# Altium PCB smart.PcbDoc (part 4 of 5)
Units mm, origin at the board's own origin, x right, y up, seen from the top; angles counter-clockwise.
Board outline 300.1 x 225.04 mm, 2 copper layers (Top Layer, Bottom Layer); 355 components, 288 nets, 1364 pads, 1127 vias.
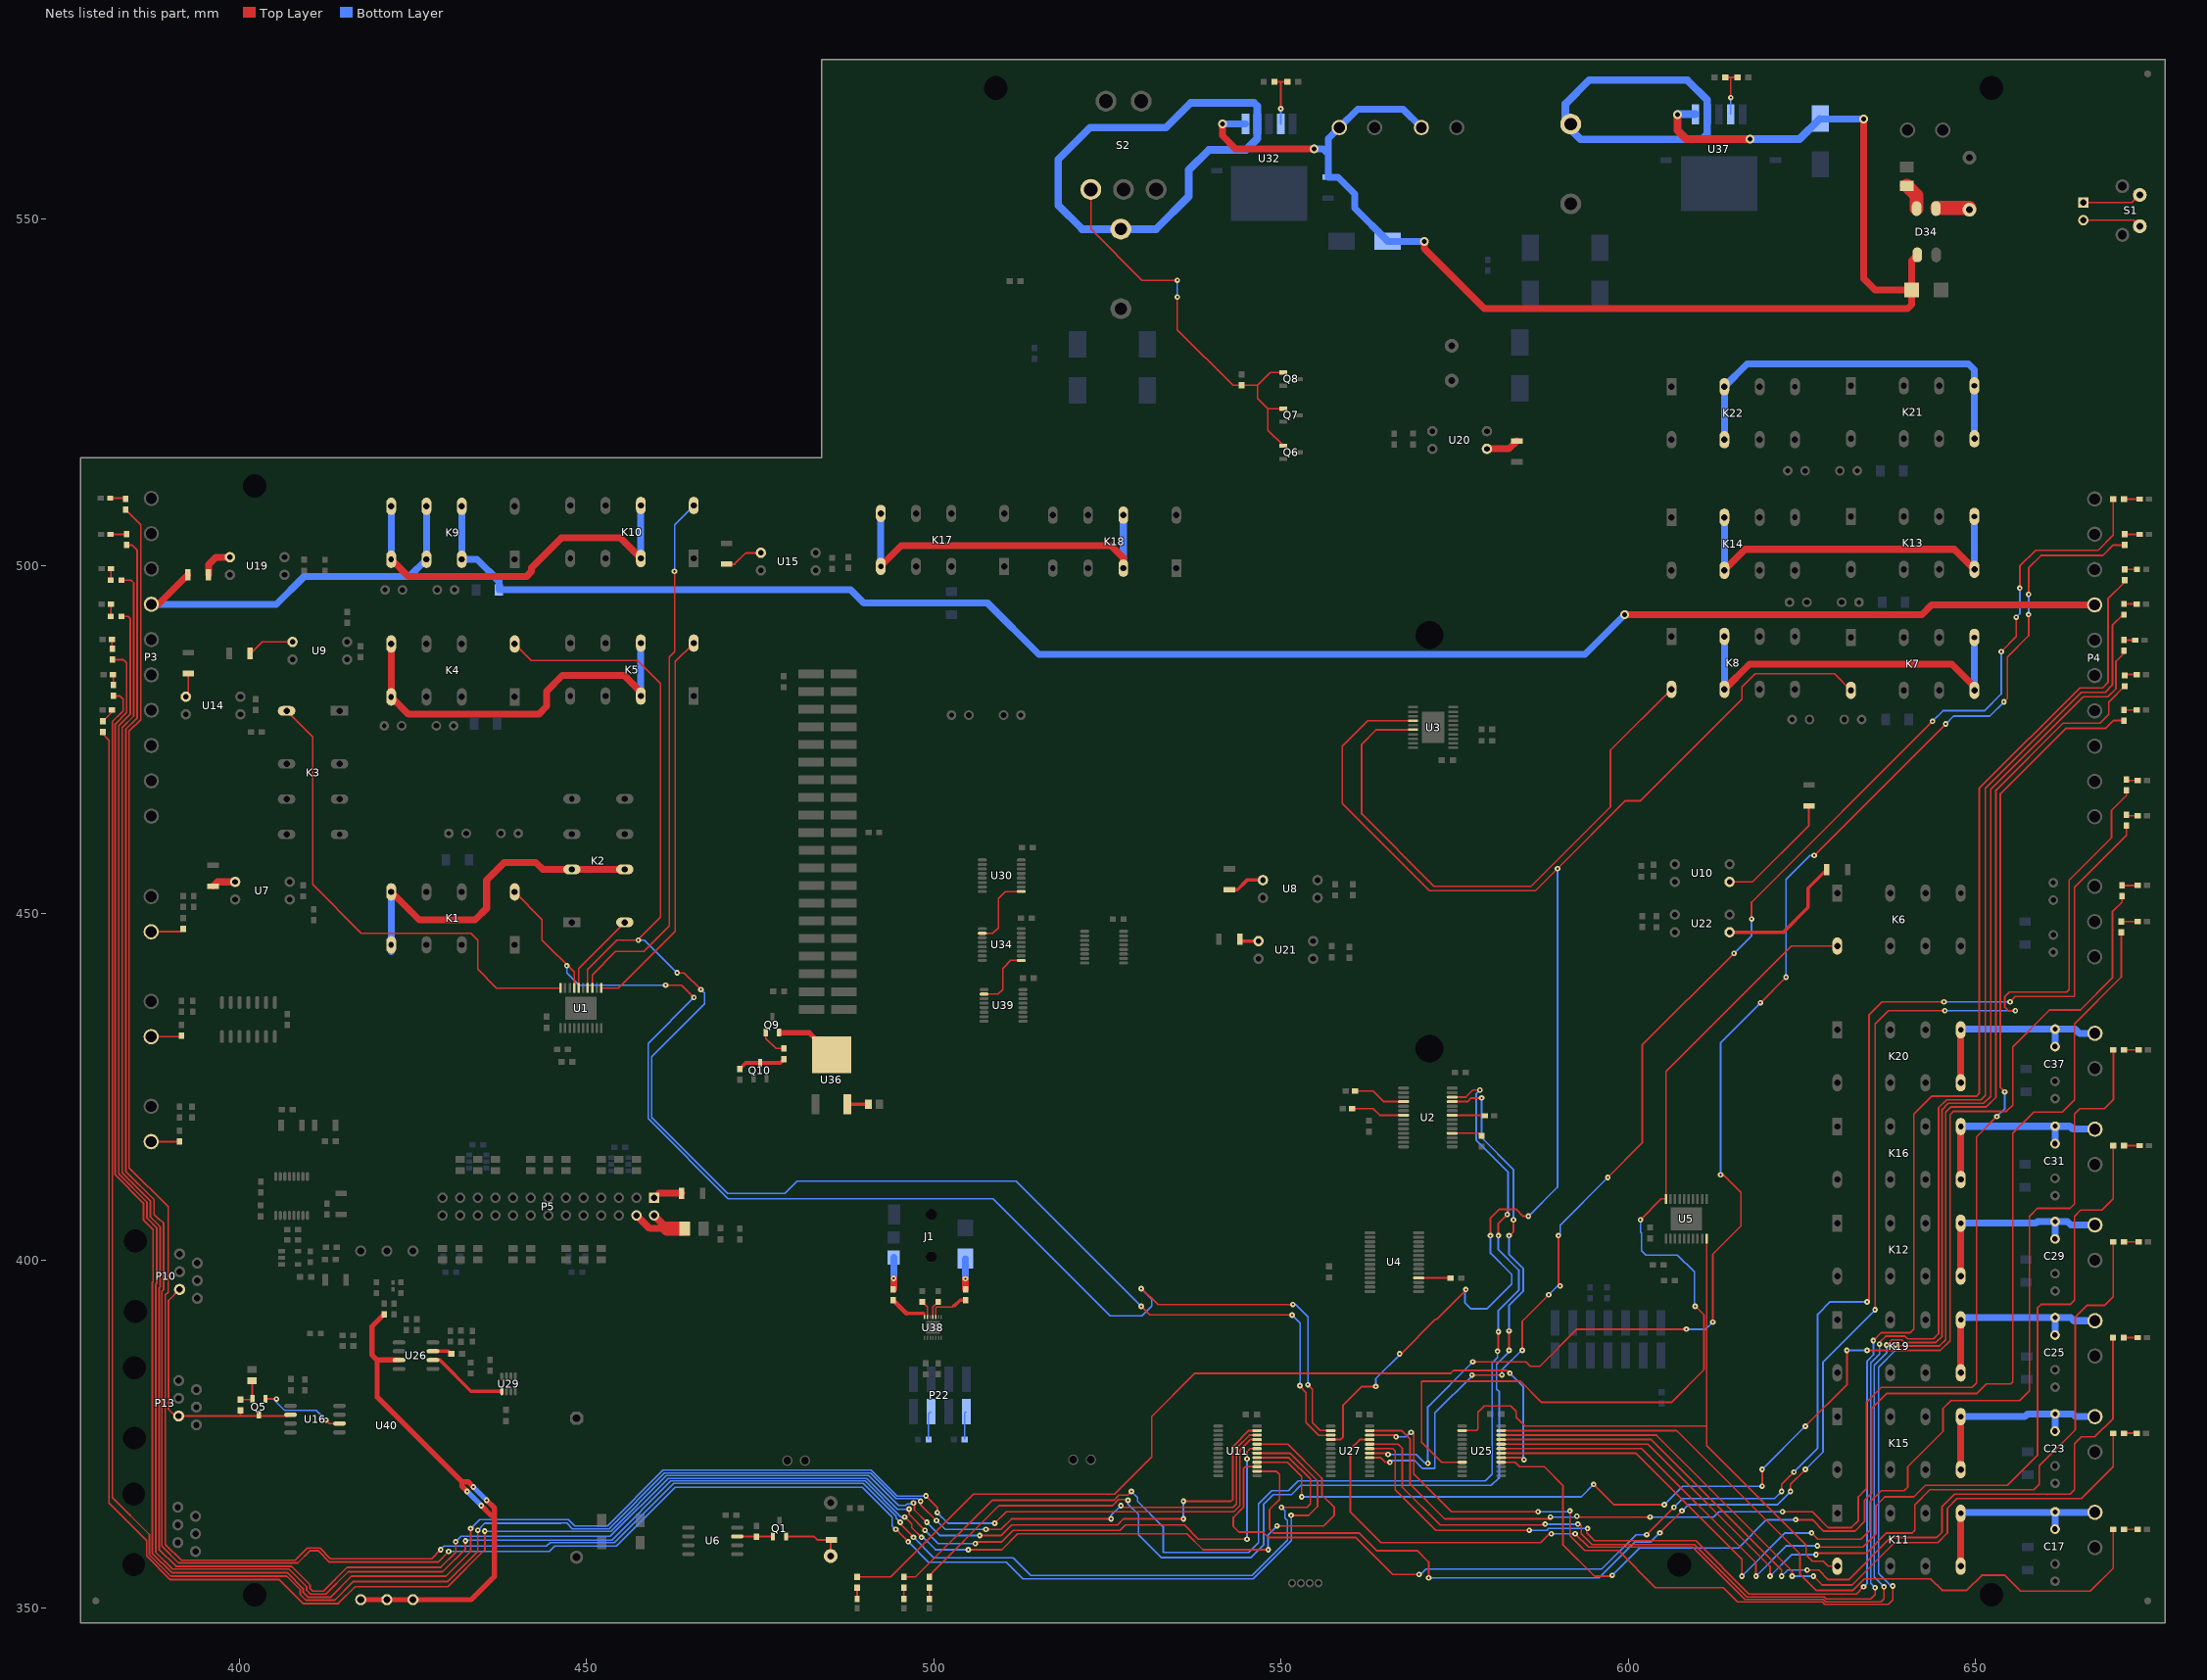
[diagram p4: the nets of this part, all layers, seen from the top]

## Via types
v1: diameter 0.8, hole 0.3, Top Layer to Bottom Layer, 1059 vias
v2: diameter 1.27, hole 0.711, Top Layer to Bottom Layer, 66 vias
v3: diameter 0.66, hole 0.33, Top Layer to Bottom Layer, tented top, 2 vias

## Nets (pads, with @x,y where several pads share a name; then routed paths per layer and width w, separated by ;. In a path a pad name is that pad's centre, name@x,y a point inside that pad or via, vN(x,y) a via of type N, cw(c..) or ccw(c..) an arc to the next point about the centre after c; other vN are vias at no path point) (continued)
NetC70_1: C70.1 C71.2 C83.1 C84.2 D34.1 D35.1 P23.1 P24.1 U32.1 U37.1 | length 208.6
  Top Layer w1: v2(541.555,563.653) 541.555,561.948 543.433,560.07 v2(554.736,560.07) ; v2(570.611,546.735) 570.611,545.719 579.247,537.083 640.207,537.083 640.774,537.65 D35.1@640.774,539.75 ; v2(633.857,564.388) 633.857,541.401 635.508,539.75 D35.1@640.774,539.75 ; D34.1@641.584,544.811 640.774,544.001 D35.1@640.774,539.75
  Top Layer w1.1: v2(607.06,565.023) 607.06,562.737 608.33,561.467 v2(617.474,561.467)
  Bottom Layer w1: v2(541.555,563.653) U32.1@544.859,563.653 ; v2@554.839,560.173 v2(554.736,560.07) 556.006,560.07 556.768,559.308 ; P24.1@570.19,563.138 567.543,565.785 561.026,565.785 P23.1@558.379,563.138 556.768,561.527 556.768,559.308 ; v2(570.611,546.735) 565.375,546.735 C70.1@565.35,546.76 560.578,551.532 560.578,553.593 558.189,555.982 C71.2@556.768,555.982 556.768,559.308 ; C83.1@627.536,564.388 v2(633.857,564.388)
  Bottom Layer w1.1: v2(607.06,565.023) 607.087,565.05 U37.1@609.629,565.05 ; v2(617.474,561.467) 624.615,561.467 C83.1@627.536,564.388
NetC80_1: C80.1 U38.3 | length 6.1
  Top Layer w0.2: U38.3@500.272,391.898 500.272,393.211 500.38,393.319 502.666,393.319 502.92,393.573
  Top Layer w0.5: 502.92,393.573 503.047,393.573 503.796,394.322 C80.1@504.571,394.322
NetC80_2: C80.2 J1.2 | length 4.4
  Top Layer w1: C80.2@504.543,395.9 v1(504.543,397.411)
  Bottom Layer w1: v1(504.543,397.411) J1.2@504.543,400.306
NetC82_1: C82.1 U38.7 | length 5.7
  Top Layer w0.2: 498.475,392.43 498.672,392.233 U38.7@498.672,391.898
  Top Layer w0.5: 496.049,392.43 498.475,392.43
  Top Layer w0.7: C82.1@494.157,394.322 496.049,392.43
NetC82_2: C82.2 J1.3 | length 4.5
  Top Layer w1: C82.2@494.218,395.933 v1(494.218,397.449)
  Bottom Layer w1: v1(494.218,397.449) J1.3@494.218,400.456
NetC89_1: C89.1 U38.4 | length 2.5
  Top Layer w0.2: U38.4@499.872,391.898 499.872,393.306 C89.1@500.634,394.068
NetC90_1: C90.1 U38.6 | length 2.5
  Top Layer w0.2: C90.1@498.348,394.068 499.072,393.344 U38.6@499.072,391.898
NetD1_1: D1.1 R7.2 | length 1.6
  Top Layer w0.254: D1.1@499.364,351.322 R7.2@499.364,352.92
NetD2_1: D2.1 R8.2 | length 1.6
  Top Layer w0.254: D2.1@495.681,351.322 R8.2@495.681,352.92
NetD3_3: D3.3 LS1.2 Q1.2 | length 8.9
  Top Layer w0.254: Q1.2@478.724,360.317 482.709,360.317 483.211,359.815 D3.3@485.267,359.815 ; LS1.2@485.14,357.49 D3.3@485.14,359.688
NetD4_1: D4.1 R52.1 | length 2.2
  Top Layer w0.254: R52.1@380.365,477.66 381.675,478.97 D4.1@381.675,479.298
NetD5_1: D5.1 R53.1 | length 1.7
  Top Layer w0.2: D5.1@381.802,484.378 381.876,484.304 R53.1@381.876,482.727
NetD6_1: D6.1 R54.1 | length 1.7
  Top Layer w0.2: R54.1@381.622,487.807 381.675,487.86 D6.1@381.675,489.458
NetD7_1: D7.1 R55.1 | length 1.8
  Top Layer w0.2: R55.1@381.495,492.76 381.548,492.813 D7.1@381.548,494.538
NetD8_1: D8.1 R67.2 | length 1.5
  Top Layer w0.254: R67.2@671.843,469.138 D8.1@673.314,469.138
NetD9_1: D9.1 R68.2 | length 1.7
  Top Layer w0.254: R68.2@671.703,464.198 671.843,464.058 D9.1@673.314,464.058
NetD10_1: D10.1 R69.2 | length 2.4
  Top Layer w0.254: R69.2@670.954,454.025 D10.1@673.314,454.025
NetD11_1: D11.1 R70.2 | length 2.2
  Top Layer w0.254: D11.1@381.421,509.778 R70.2@383.654,509.778
NetD12_1: D12.1 R71.2 | length 2.2
  Top Layer w0.254: D12.1@381.461,504.571 R71.2@383.694,504.571
NetD13_1: D13.1 R72.2 | length 1.7
  Top Layer w0.2: R72.2@381.495,497.967 381.548,498.02 D13.1@381.548,499.618
NetD14_1: D14.1 R84.1 | length 2
  Top Layer w0.254: R84.1@671.335,361.315 D14.1@673.314,361.315
NetD15_1: D15.1 R85.1 | length 1.9
  Top Layer w0.254: R85.1@671.335,375.158 D15.1@673.187,375.158
NetD16_1: D16.1 R86.1 | length 2
  Top Layer w0.254: R86.1@671.308,388.92 D16.1@673.287,388.92
NetD17_1: D17.1 R87.1 | length 2.1
  Top Layer w0.254: R87.1@671.335,402.717 D17.1@673.441,402.717
NetD18_1: D18.1 R88.1 | length 1.9
  Top Layer w0.254: R88.1@671.335,479.298 D18.1@673.187,479.298
NetD19_1: D19.1 R89.1 | length 1.9
  Top Layer w0.254: R89.1@671.335,484.378 D19.1@673.187,484.378
NetD20_1: D20.1 R90.1 | length 1.6
  Top Layer w0.254: R90.1@671.335,489.331 D20.1@672.933,489.331
NetD21_1: D21.1 R91.1 | length 1.9
  Top Layer w0.254: R91.1@671.335,494.538 D21.1@673.187,494.538
NetD22_1: D22.1 R96.2 | length 2.4
  Top Layer w0.254: R96.2@670.954,448.818 D22.1@673.314,448.818
NetD23_1: D23.1 R97.2 | length 1.6
  Top Layer w0.254: D23.1@488.95,351.322 R97.2@488.95,352.92
NetD24_1: D24.1 R100.2 | length 2.2
  Top Layer w0.254: R100.2@671.335,509.651 D24.1@673.568,509.651
NetD25_1: D25.1 R101.2 | length 2.2
  Top Layer w0.254: R101.2@671.335,504.571 D25.1@673.568,504.571
NetD26_1: D26.1 R98.2 | length 2.1
  Top Layer w0.254: R98.2@671.362,430.357 D26.1@673.468,430.357
NetD27_1: D27.1 R99.2 | length 2.2
  Top Layer w0.254: R99.2@671.335,416.56 D27.1@673.568,416.56
NetD28_1: D28.1 R102.2 | length 1.8
  Top Layer w0.254: R102.2@671.394,499.537 D28.1@673.2,499.537
NetD33_1: D33.1 L1.1 U32.2 | length 81.2
  Bottom Layer w1.1: 517.906,551.942 521.335,548.513 L1.1@526.923,548.513 532.003,548.513 536.702,553.212 536.702,557.022 539.599,559.919 D33.1@540.766,559.919 544.933,559.919 546.559,561.545 U32.2@546.559,563.653 546.559,566.215 546.1,566.674 536.956,566.674 533.4,563.118 522.478,563.118 517.906,558.546 517.906,551.942
NetD34_2: D34.2 F1.2 | length 3.9
  Top Layer w2: F1.2@640.08,554.758 641.494,553.344 D34.2@641.494,551.461
NetD34_4: D34.4 RT1.2 | length 4.7
  Top Layer w2: D34.4@644.425,551.554 RT1.2@649.097,551.554
NetD36_1: D36.1 L2.1 U37.2 | length 52.5
  Bottom Layer w1.1: L2.1@590.931,563.626 590.931,566.547 594.36,569.976 608.457,569.976 611.329,567.104 U37.2@611.329,565.05 611.329,562.18 610.592,561.443 D36.1@605.409,561.443 593.114,561.443 L2.1@590.931,563.626
NetD37_1: D37.1 U2.4 | length 7.6
  Top Layer w0.254: D37.1@560.618,424.434 563.245,424.434 564.78,422.899 U2.4@567.619,422.899
NetD38_1: D38.1 U2.7 | length 7.8
  Top Layer w0.254: D38.1@560.237,421.894 563.245,421.894 564.19,420.949 U2.7@567.619,420.949
NetD39_1: D39.1 U2.22 | length 4.7
  Top Layer w0.254: U2.22@574.619,420.949 579.263,420.949 D39.1@579.334,420.878
NetF2_1: F2.1 P5.2 P5.4 | length 10.1
  Top Layer w1: P5.4@457.2,406.527 459.105,404.622 461.645,404.622 P5.2@459.74,406.527
  Top Layer w2: 461.645,404.622 F2.1@463.828,404.622
NetK1_8: K1.8 K1.9 K2.4 K2.13 | length 50.1
  Top Layer w1: K1.9@421.88,453.097 425.905,449.072 433.959,449.072 435.61,450.723 435.61,454.787 438.15,457.327 442.722,457.327 443.719,456.33 K2.4@447.89,456.33 K2.13@455.51,456.33
  Bottom Layer w1: K1.8@421.88,444.514 K1.8@421.88,445.477 K1.9@421.88,453.097
NetK4_8: K4.8 K4.9 K5.4 K5.13 | length 57.3
  Top Layer w1: K4.9@421.88,488.784 K4.8@421.88,481.164 424.381,478.663 443.103,478.663 444.246,479.806 444.246,481.965 446.532,484.251 455.422,484.251 457.816,481.857 K5.4@457.816,481.291
  Bottom Layer w1: K5.4@457.816,481.291 K5.13@457.816,488.911
NetK7_8: K7.8 K7.9 K8.4 K8.13 | length 54.6
  Top Layer w1: K8.13@613.81,482.258 617.454,485.902 646.557,485.902 649.805,482.654 K7.9@649.805,482.119
  Bottom Layer w1: K8.13@613.81,482.258 K8.4@613.81,489.878 ; K7.9@649.805,482.119 K7.8@649.805,489.739
NetK9_8: K9.8 K9.9 K10.4 K10.13 | length 56.1
  Top Layer w1: K9.8@421.88,500.976 424.381,498.475 441.325,498.475 442.087,499.237 442.087,499.745 446.405,504.063 454.856,504.063 K10.4@457.816,501.103
  Bottom Layer w1: K9.8@421.88,500.976 K9.9@421.88,508.596 ; K10.4@457.816,501.103 K10.13@457.816,508.723
NetK13_8: K13.8 K13.9 K14.4 K14.13 | length 53.7
  Top Layer w1: K14.13@613.81,499.403 616.819,502.412 646.923,502.412 K13.9@649.805,499.53
  Bottom Layer w1: K14.13@613.81,499.403 K14.4@613.81,507.023 ; K13.9@649.805,499.53 K13.8@649.805,507.15
NetK17_8: K17.8 K17.9 K18.4 K18.13 | length 53.6
  Top Layer w1: K17.8@492.365,499.96 495.325,502.92 525.526,502.92 527.285,501.161 K18.4@527.285,499.706
  Bottom Layer w1: K17.8@492.365,499.96 K17.9@492.365,507.58 ; K18.4@527.285,499.706 K18.13@527.285,507.326
NetK21_8: K21.8 K21.9 K22.4 K22.13 | length 55.2
  Bottom Layer w1: K22.13@613.81,518.199 K22.4@613.81,525.819 617.073,529.082 648.97,529.082 649.805,528.247 K21.8@649.805,525.946 K21.9@649.805,518.326
NetP2_1: P2.1 S1.1 | length 8.6
  Top Layer w0.2: P2.1@665.48,552.323 672.501,552.323 S1.1@673.608,553.43
NetP2_2: P2.2 S1.2 | length 8.5
  Top Layer w0.2: P2.2@665.48,549.783 672.755,549.783 S1.2@673.608,548.93
NetP5_1: P5.1 R20.1 | length 4.2
  Top Layer w0.5: P5.1@459.74,409.067 P5.1@460.375,409.702
  Top Layer w1: P5.1@460.375,409.702 R20.1@463.701,409.702
NetP10_2: P10.2 P13.2 Q5.3 R73.2 U16.2 | length 36.8
  Top Layer w0.254: P10.2@391.414,395.864 389.821,394.272 389.821,378.587 390.769,377.64 P13.2@391.287,377.64 400.177,377.64 ; R73.2@400.177,378.447 400.177,377.64 ; U16.2@407.382,377.825 407.197,377.64 400.177,377.64
NetP17_1: P17.1 R93.2 | length 4.8
  Top Layer w0.254: P17.1@387.33,447.361 391.494,447.361 R93.2@391.922,447.789
NetP18_1: P18.1 R103.2 | length 4.4
  Top Layer w0.254: P18.1@387.33,432.248 391.494,432.248 R103.2@391.668,432.422
NetP20_1: P20.1 R106.2 | length 4.1
  Top Layer w0.254: P20.1@387.33,417.135 391.367,417.135 R106.2@391.414,417.182
NetP22_1: P22.1 R113.2 | length 4.1
  Bottom Layer w0.2: R113.2@504.457,374.269 504.457,378.063 P22.1@504.668,378.274
NetP22_5: P22.5 R116.1 | length 4.1
  Bottom Layer w0.2: R116.1@499.25,374.269 499.25,377.936 P22.5@499.588,378.274
NetQ1_1: Q1.1 R17.2 U6.7 | length 5.1
  Top Layer w0.254: U6.7@471.709,360.299 476.806,360.299 Q1.1@476.824,360.317
NetQ5_1: Q5.1 U16.6 | length 12.6
  Top Layer w0.254: Q5.1@403.794,380.093 v1(405.366,380.093) v1@405.511,380.238 ; v1(412.496,377.063) 413.004,376.555 U16.6@414.432,376.555
  Bottom Layer w0.254: v1@405.257,380.111 405.257,379.73 406.527,378.46 411.099,378.46 v1(412.496,377.063)
NetQ5_2: Q5.2 R60.2 R73.1 | length 4.3
  Top Layer w0.254: R73.1@400.177,379.997 401.798,379.997 Q5.2@401.894,380.093 R60.2@401.894,382.674
NetQ6_1: Q6.1 Q7.1 Q8.1 R18.2 S2.1 | length 60.1
  Top Layer w0.2: S2.1@522.604,554.228 522.604,548.514 529.971,541.147 v1(535.051,541.147) ; v1(535.051,538.734) 535.051,534.035 543.065,526.021 R18.2@544.322,526.021 546.595,526.021 ; Q6.1@550.309,517.332 548.071,519.57 548.071,522.666 ; Q7.1@550.309,522.666 548.071,522.666 ; Q8.1@550.309,527.873 548.447,527.873 546.595,526.021 ; 546.595,526.021 546.595,524.142 548.071,522.666
  Bottom Layer w0.2: v1(535.051,538.734) v1(535.051,541.147)
NetQ9_1: Q9.1 R128.1 | length 4
  Top Layer w0.2: Q9.1@475.808,432.834 475.808,431.988 477.253,430.543 R128.1@478.409,430.543
NetQ9_2: Q9.2 U36.4 | length 8.6
  Top Layer w0.75: 478.028,432.816 482.071,432.816 U36.4@485.267,429.62
NetQ10_3: Q10.3 R127.1 R128.2 | length 6.9
  Top Layer w0.5: R127.1@472.059,427.622 472.917,428.48 Q10.3@474.98,428.48 477.896,428.48 R128.2@478.409,428.993
NetR4_2: R4.2 U2.18 | length 4.4
  Top Layer w0.2: U2.18@574.619,418.349 578.487,418.349 R4.2@578.866,417.97
NetR6_2: R6.2 U26.3 U40.1 | length 76.7
  Top Layer w0.75: U40.1@417.909,351.201 U40.1@421.259,351.201 424.609,351.201 433.37,351.201 436.753,354.584 436.753,363.347 ; R6.2@420.878,392.29 419.1,390.512 419.1,386.461 419.862,385.699 ; U26.3@423,385.699 419.862,385.699 ; v1(432.816,366.776) 432.054,367.538 432.054,368.173 ; v1(433.705,367.411) 432.943,368.173 432.054,368.173 ; v1(434.848,364.744) 436.245,363.347 436.753,363.347 ; v1(435.61,365.506) 436.753,364.363 436.753,363.347 ; 419.862,385.699 419.862,380.365 432.054,368.173
  Bottom Layer w0.75: v1(432.816,366.776) v1(434.848,364.744) ; v1(433.705,367.411) v1(435.61,365.506)
NetR7_1: R7.1 U2.25 | length 164.1
  Top Layer w0.254: R7.1@499.364,354.47 499.364,354.711 509.397,364.744 525.716,364.744 526.605,365.633 527.812,365.633 v1(527.939,365.506) ; U2.25@574.619,422.899 576.823,422.899 577.342,423.418 v1(578.866,423.418) ; v1(582.803,387.096) v1(582.803,389.89) ; v1@583.057,403.733 583.438,404.114 v1(583.438,405.892)
  Bottom Layer w0.254: v1(527.939,365.506) 527.939,364.998 529.463,363.474 529.463,360.553 532.765,357.251 545.592,357.251 547.497,359.156 547.497,364.998 548.831,366.332 551.498,366.332 552.831,367.665 580.263,367.665 581.279,368.681 581.406,368.681 581.406,381.127 581.025,381.508 581.025,385.064 582.803,386.842 v1(582.803,387.096) ; v1(578.866,423.418) 578.866,417.703 583.438,413.131 v1(583.438,405.892) ; v1(582.803,389.89) 582.803,393.573 584.835,395.605 584.835,398.907 582.803,400.939 v1(582.803,403.606)
NetR8_1: R8.1 U2.26 | length 168.9
  Top Layer w0.254: R8.1@495.681,354.47 497.345,354.47 508.381,365.506 525.907,365.506 526.669,366.268 527.939,366.268 v1(528.447,366.776) ; U2.26@574.619,423.549 576.584,423.549 577.596,424.561 v1(578.612,424.561) ; v1@581.279,387.223 v1(581.279,389.763) ; v1(581.279,403.606) 581.279,405.384 v1(582.549,406.654)
  Bottom Layer w0.254: v1(528.447,366.776) 529.336,365.887 529.336,365.379 533.019,361.696 533.019,358.013 545.338,358.013 546.735,359.41 546.735,364.998 548.64,366.903 551.053,366.903 552.45,368.3 579.374,368.3 580.39,369.316 580.39,385.318 581.152,386.08 v1(581.152,386.969) ; v1(578.612,424.561) 578.104,424.053 578.104,417.322 582.676,412.75 v1@582.676,406.4 ; v1(581.279,389.763) 581.279,392.811 584.2,395.732 584.2,398.653 581.279,401.574 v1(581.279,403.606)
NetR12_2: R12.2 U4.18 | length 4.6
  Top Layer w0.254: U4.18@569.793,397.521 569.804,397.51 R12.2@574.408,397.51
NetR33_2: R33.2 U7.1 | length 3.4
  Top Layer w1: R33.2@396.24,453.922 396.851,454.533 U7.1@399.415,454.533
NetR34_2: R34.2 U8.1 | length 5.4
  Top Layer w0.5: R34.2@542.544,453.414 543.711,453.414 545.084,454.787 U8.1@547.37,454.787
NetR48_2: R48.2 U9.1 | length 6.9
  Top Layer w0.254: R48.2@401.55,487.299 403.328,489.077 U9.1@407.67,489.077
NetR49_2: R49.2 U10.1 | length 17.6
  Top Layer w0.254: U10.1@614.553,454.533 617.855,454.533 625.983,462.661 R49.2@625.983,465.479
NetR52_2: R52.2 U11.23 | length 310
  Top Layer w0.254: R52.2@380.365,476.11 380.365,475.823 381.254,474.934 381.254,365.125 386.669,359.71 386.669,357.488 390.081,354.076 405.765,354.076 409.194,350.647 414.274,350.647 416.687,353.06 430.022,353.06 435.356,358.394 v1(435.356,361.061) ; v1(497.078,365.125) 497.205,364.998 497.205,364.109 v1(498.983,362.331) ; v1(506.603,360.426) 509.651,360.426 511.175,361.95 526.415,361.95 527.304,362.839 v1(535.94,362.839) ; v1(535.94,365.379) 542.798,365.379 543.052,365.633 543.052,373.253 545.342,375.543 U11.23@546.536,375.543
  Bottom Layer w0.2: v1(435.356,361.061) 453.517,361.061 461.518,369.062 490.601,369.062 494.919,364.744 495.935,364.744 496.189,364.998 497.205,364.998 v1(497.078,365.125)
  Bottom Layer w0.254: v1(498.983,362.331) 500.888,360.426 v1(506.603,360.426) ; v1(535.94,362.839) v1(535.94,365.379)
NetR53_2: R53.2 U11.22 | length 314.7
  Top Layer w0.254: R53.2@381.889,481.317 382.791,481.317 383.286,480.822 383.286,479.171 381.739,477.624 381.739,365.91 387.073,360.576 387.073,357.655 390.144,354.584 406.845,354.584 408.79,352.639 408.79,351.94 409.598,351.132 413.766,351.132 416.456,353.822 430.022,353.822 434.34,358.14 v1(434.34,361.188) ; v1(498.094,365.379) 498.094,364.871 v1(500.38,362.585) ; v1(507.492,361.315) 509.651,361.315 511.175,362.839 v1(525.526,362.839) ; v1(526.923,364.744) 527.177,364.49 543.052,364.49 543.56,364.998 543.56,372.999 545.454,374.893 U11.22@546.536,374.893
  Bottom Layer w0.2: 446.278,362.204 447.167,362.204 447.96,361.411 453.232,361.411 461.233,369.412 490.916,369.412 494.553,365.775 497.698,365.775 v1(498.094,365.379)
  Bottom Layer w0.254: v1(434.34,361.188) 435.356,362.204 446.278,362.204 ; v1(500.38,362.585) 501.65,361.315 v1(507.492,361.315) ; v1(525.526,362.839) 525.526,363.347 v1(526.923,364.744)
NetR54_2: R54.2 U11.21 | length 318.9
  Top Layer w0.254: R54.2@381.762,486.524 383.299,486.524 383.794,486.029 383.794,478.917 382.143,477.266 382.143,412.369 386.207,408.305 386.207,405.892 387.604,404.495 387.604,397.002 387.477,396.875 387.477,357.886 390.271,355.092 406.908,355.092 409.194,352.806 409.194,352.298 409.956,351.536 413.131,351.536 416.179,354.584 429.768,354.584 433.324,358.14 v1(433.324,361.442) ; v1(498.856,366.141) 500.507,364.49 v1(500.507,363.728) ; v1(508.762,362.204) 510.413,363.855 543.179,363.855 544.068,364.744 544.068,372.745 545.566,374.243 U11.21@546.536,374.243
  Bottom Layer w0.2: v1(433.324,361.442) 434.594,362.712 447.421,362.712 448.31,361.823 453.009,361.823 461.01,369.824 490.999,369.824 494.682,366.141 v1(498.856,366.141)
  Bottom Layer w0.254: v1(500.507,363.728) 502.031,362.204 v1(508.762,362.204)
NetR55_2: R55.2 U11.20 | length 345.9
  Top Layer w0.254: R55.2@383.045,492.76 384.025,492.76 384.302,492.483 384.302,478.663 382.651,477.012 382.651,412.496 386.715,408.432 386.715,406.146 388.112,404.749 388.112,396.748 387.985,396.621 387.985,358.013 390.398,355.6 407.162,355.6 409.702,353.06 409.702,352.552 410.233,352.021 412.496,352.021 415.694,355.219 429.26,355.219 432.562,358.521 v1(432.562,359.664) ; v1(495.808,363.093) 496.824,362.077 496.824,361.569 v1(498.221,360.172) ; v1(504.952,358.394) 509.778,358.394 512.064,360.68 536.448,360.68 538.734,358.394 v1(548.132,358.394) ; U11.20@546.536,373.593 550.967,373.593 555.879,368.681 555.879,366.268 557.657,364.49 557.657,363.347 556.133,361.823 v1(549.402,361.823)
  Bottom Layer w0.2: v1(432.562,359.664) 432.689,359.791 453.644,359.791 462.153,368.3 490.093,368.3 495.3,363.093
  Bottom Layer w0.254: 495.3,363.093 v1(495.808,363.093) ; v1@498.221,360.426 500.253,358.394 v1(504.952,358.394) ; v1(548.132,358.394) 548.132,360.553 v1(549.402,361.823)
NetR63_2: R63.2 U14.1 | length 3.5
  Top Layer w0.254: U14.1@392.303,481.203 392.684,481.584 R63.2@392.684,484.529
NetR64_2: R64.2 U15.1 | length 5.6
  Top Layer w0.254: R64.2@470.154,500.277 471.321,500.277 472.948,501.904 U15.1@475.107,501.904
NetR67_1: R67.1 U11.14 | length 234.7
  Top Layer w0.254: U11.14@546.536,369.693 549.279,369.693 549.783,369.189 549.783,365.633 548.322,364.172 548.322,361.378 548.894,360.807 561.213,360.807 563.753,358.267 569.595,358.267 571.246,356.616 v1(571.246,354.33) ; v1(604.52,360.807) v1(607.695,363.982) ; v1(623.316,366.776) 623.316,367.792 v1(625.475,369.951) ; v1(635.508,392.938) 635.508,434.086 637.413,435.991 v1(645.541,435.991) ; v1(655.701,435.991) 654.685,435.991 654.177,436.499 654.177,438.023 654.812,438.658 663.067,438.658 663.448,439.039 663.448,454.787 669.544,460.883 669.544,464.82 671.703,466.979 R67.1@671.703,467.728
  Bottom Layer w0.254: v1(571.246,354.33) 595.757,354.33 600.964,359.537 603.25,359.537 v1(604.52,360.807) ; v1@607.949,363.855 607.949,364.236 608.584,364.871 621.411,364.871 v1(623.316,366.776) ; v1(625.475,369.951) 628.015,372.491 628.015,385.445 v1(635.508,392.938) ; v1(645.541,435.991) v1(655.701,435.991)
NetR68_1: R68.1 U11.15 | length 233.1
  Top Layer w0.254: U11.15@546.536,370.343 544.841,370.343 544.576,370.078 544.576,364.49 543.115,363.029 543.115,361.76 543.941,360.934 547.37,360.934 548.132,360.172 560.705,360.172 566.039,354.838 v1(569.849,354.838) ; v1(602.615,360.553) v1(606.552,364.49) ; v1(622.046,366.776) 622.046,367.792 v1(623.824,369.57) ; v1(634.365,394.081) 634.619,394.335 634.619,435.356 636.524,437.261 v1(645.414,437.261) ; v1(654.939,437.261) 655.701,438.023 664.21,438.023 664.21,453.771 669.925,459.486 671.703,461.264 R68.1@671.703,462.648
  Bottom Layer w0.254: v1(569.849,354.838) 570.103,354.838 570.865,355.6 596.138,355.6 601.091,360.553 v1(602.615,360.553) ; v1(606.552,364.49) 607.822,365.76 621.03,365.76 v1(622.046,366.776) ; v1(623.824,369.57) 627.253,372.999 627.253,392.303 629.031,394.081 v1(634.365,394.081) ; v1(645.414,437.261) v1(654.939,437.261)
NetR69_1: R69.1 U11.16 | length 200.9
  Top Layer w0.254: U11.16@546.536,370.993 550.9,370.993 552.958,368.935 v1(552.958,366.014) ; v1(594.995,367.792) 597.916,364.871 v1(605.155,364.871) ; v1(619.252,367.538) v1(619.252,369.951) ; v1(625.475,376.174) 631.444,382.143 v1(631.444,387.096) ; v1(634.365,387.096) 644.906,387.096 646.303,388.493 646.303,421.005 646.811,421.513 654.431,421.513 655.32,422.402 655.32,430.784 660.654,436.118 665.099,436.118 669.671,440.69 669.671,450.215 671.068,451.612 R69.1@671.068,452.488
  Bottom Layer w0.254: v1(552.958,366.014) 593.217,366.014 v1(594.995,367.792) ; v1(605.155,364.871) 607.822,367.538 v1(619.252,367.538) ; v1(619.252,369.951) v1(625.475,376.174) ; v1(631.444,387.096) v1(634.365,387.096)
NetR70_1: R70.1 U11.17 | length 351.2
  Top Layer w0.2: R70.1@383.667,508.114 385.826,505.955 385.826,477.901 384.175,476.25 384.175,413.385 389.763,407.797 389.763,395.478 389.382,395.097 389.382,359.156 391.668,356.87 408.051,356.87 409.829,358.648 411.607,358.648 413.131,357.124 427.736,357.124 v1(429.006,358.394) ; v1(495.173,362.331) 495.173,362.077 v1(497.078,360.172)
  Top Layer w0.254: U11.17@546.536,371.643 551.139,371.643 554.228,368.554 554.228,364.998 553.72,364.49 v1(550.037,364.49)
  Bottom Layer w0.2: v1(429.006,358.394) 429.514,358.902 430.881,358.902 430.896,358.887 444.231,358.887 444.754,359.41 454.025,359.41 462.534,367.919 489.839,367.919 494.538,363.22 494.538,362.966 v1(495.173,362.331) ; v1(497.078,360.172) 499.999,357.251 511.429,357.251 513.969,354.711 545.846,354.711 550.926,359.791 550.926,362.585 550.545,362.966 550.545,363.982 v1(550.037,364.49)
NetR71_1: R71.1 U11.18 | length 348.5
  Top Layer w0.2: v1@494.538,361.442 v1(494.538,361.315) v1(496.316,359.537)
  Top Layer w0.254: R71.1@383.794,503.034 384.569,503.034 385.318,502.285 385.318,478.155 383.667,476.504 383.667,412.877 387.731,408.813 387.731,406.654 388.493,405.892 388.62,405.892 389.128,405.384 389.128,395.859 388.874,395.605 388.874,358.902 391.287,356.489 408.432,356.489 410.21,358.267 411.353,358.267 413.004,356.616 428.625,356.616 v1(430.149,358.14) ; U11.18@546.536,372.293 551.251,372.293 555.244,368.3 555.244,364.617 553.974,363.347 v1(551.434,363.347)
  Bottom Layer w0.2: v1(430.149,358.14) 444.627,358.14 445.389,358.902 454.279,358.902 462.788,367.411 489.712,367.411 494.03,363.093 494.03,361.823 v1(494.538,361.315) ; v1(496.316,359.537) 499.237,356.616 510.413,356.616 512.826,354.203 545.973,354.203 551.434,359.664 v1(551.434,363.347)
NetR72_1: R72.1 U11.19 | length 331.3
  Top Layer w0.254: R72.1@383.045,497.967 384.429,497.967 384.81,497.586 384.81,478.409 383.159,476.758 383.159,412.623 387.223,408.559 387.223,406.273 388.62,404.876 388.62,396.24 388.47,396.09 388.47,358.417 390.883,356.004 407.52,356.004 410.21,353.314 410.21,352.806 410.591,352.425 412.115,352.425 415.544,355.854 429.006,355.854 431.165,358.013 v1(431.165,359.537) ; v1(496.443,364.236) 496.443,363.474 v1(498.729,361.188) ; v1@506.222,359.537 509.778,359.537 511.429,361.188 526.796,361.188 527.558,361.95 536.067,361.95 538.099,359.918 v1(545.084,359.918) ; v1(545.084,371.475) 545.084,372.491 545.536,372.943 U11.19@546.536,372.943
  Bottom Layer w0.2: v1(431.165,359.537) 431.927,360.299 432.278,360.299 432.293,360.314 432.831,360.314 432.846,360.299 453.39,360.299 461.772,368.681 490.347,368.681 494.792,364.236 v1(496.443,364.236)
  Bottom Layer w0.254: v1(498.729,361.188) 500.634,359.283 v1(505.968,359.283) ; v1(545.084,359.918) v1(545.084,371.475)
NetR78_2: R78.2 U19.1 | length 5
  Top Layer w1: R78.2@395.581,498.729 395.581,500.229 396.621,501.269 U19.1@398.653,501.269
NetR79_2: R79.2 U20.1 | length 4.8
  Top Layer w1: U20.1@579.628,516.89 582.827,516.89 R79.2@583.946,518.009
NetR82_2: R82.2 U21.1 | length 2.4
  Top Layer w0.5: R82.2@544.298,446.024 U21.1@546.735,446.024
NetR83_2: R83.2 U22.1 | length 19.4
  Top Layer w0.5: U22.1@614.553,447.294 622.3,447.294 625.856,450.85 625.856,453.62 R83.2@628.547,456.311
NetR84_2: R84.2 U25.23 | length 109.5
  Top Layer w0.254: U25.23@581.666,375.543 606.929,375.543 624.713,357.759 624.713,354.851 627.012,352.552 632.333,352.552 633.984,354.203 643.509,354.203 645.16,352.552 648.716,352.552 650.875,354.711 654.177,354.711 656.463,352.425 666.496,352.425 669.785,355.714 R84.2@669.785,361.315
NetR85_2: R85.2 U25.22 | length 111.5
  Top Layer w0.254: U25.22@581.666,374.893 604.023,374.893 623.57,355.346 v1(623.57,354.584) ; v1(626.618,354.584) 627.888,353.314 632.206,353.314 638.302,359.41 644.525,359.41 645.922,360.807 645.922,364.363 647.319,365.76 665.226,365.76 669.785,370.319 R85.2@669.785,375.158
  Bottom Layer w0.254: v1(623.57,354.584) v1(626.618,354.584)
NetR86_2: R86.2 U25.21 | length 125
  Top Layer w0.254: U25.21@581.666,374.243 603.276,374.243 622.046,355.473 v1(622.046,354.584) ; v1(625.729,355.473) 627.38,355.473 628.777,354.076 631.698,354.076 637.794,360.172 644.398,360.172 645.16,360.934 645.16,364.617 646.938,366.395 663.575,366.395 664.21,367.03 664.21,373.634 665.226,374.65 667.131,374.65 669.758,377.277 R86.2@669.758,388.92
  Bottom Layer w0.254: v1(622.046,354.584) 622.935,355.473 v1(625.729,355.473)
NetR87_2: R87.2 U25.20 | length 134.7
  Top Layer w0.254: U25.20@581.666,373.593 602.783,373.593 620.395,355.981 v1(620.395,354.584) ; v1(626.999,357.695) 626.999,357.886 634.238,357.886 637.159,360.807 640.842,360.807 641.223,361.188 641.223,364.871 643.382,367.03 658.368,367.03 659.13,367.792 659.13,370.459 664.337,375.666 664.337,391.922 665.988,393.573 668.528,393.573 669.785,394.83 R87.2@669.785,402.717
  Bottom Layer w0.254: v1(620.395,354.584) 623.506,357.695 v1(626.999,357.695)
NetR88_2: R88.2 U27.23 | length 224.7
  Top Layer w0.254: U27.23@562.743,375.543 567.305,375.543 568.579,374.269 568.579,367.792 573.532,362.839 588.518,362.839 v1(588.772,363.093) ; v1@592.582,363.093 v1(603.123,363.093) ; v1(622.173,363.855) 626.491,363.855 628.777,361.569 632.079,361.569 633.095,362.585 633.095,366.014 634.238,367.157 634.238,379.603 636.397,381.762 649.478,381.762 650.113,382.397 650.113,417.83 v1(653.034,420.751) ; v1(654.177,424.307) 653.542,424.942 653.542,467.233 662.94,476.631 668.655,476.631 669.785,477.761 R88.2@671.322,477.761
  Bottom Layer w0.254: v1(588.772,363.093) 592.455,363.093 v1(592.582,363.22) ; v1(603.123,363.093) 612.267,363.093 613.029,363.855 v1(622.173,363.855) ; v1(653.034,420.751) 654.177,421.894 v1(654.177,424.307)
NetR89_2: R89.2 U27.22 | length 248.9
  Top Layer w0.2: v1(591.566,363.982) 591.566,360.426 593.725,358.267 598.551,358.267 603.885,352.933 613.664,352.933 615.696,350.901 627.888,350.901 628.269,350.52 637.413,350.52 638.048,351.155
  Top Layer w0.254: U27.22@562.743,374.893 566.304,374.893 v1(566.547,374.65) ; v1(568.706,375.285) 568.833,375.285 569.087,375.031 569.087,369.316 574.548,363.855 v1(586.994,363.855) ; 638.048,351.155 v1(638.048,353.187) ; v1(638.429,387.858) 638.556,387.731 644.779,387.731 645.668,388.62 645.668,421.386 646.43,422.148 651.51,422.148 652.907,423.545 652.907,467.741 662.559,477.393 667.893,477.393 669.163,478.663 669.163,480.428 R89.2@671.449,482.714
  Bottom Layer w0.254: v1(566.547,374.65) 567.944,374.65 568.579,375.285 v1(568.706,375.285) ; v1(586.994,363.855) v1@591.439,363.855 ; v1@638.048,352.933 636.016,354.965 636.016,384.683 638.429,387.096 v1(638.429,387.858)
NetR90_2: R90.2 U27.21 | length 256.7
  Top Layer w0.2: v1(592.328,360.68) 594.233,358.775 609.219,358.775 616.743,351.251 628.033,351.251 628.383,350.901 636.397,350.901 636.778,351.282 v1(636.778,353.06)
  Top Layer w0.254: U27.21@562.743,374.243 561.314,374.243 559.943,372.872 559.943,363.855 564.388,359.41 587.375,359.41 v1@588.645,360.68 ; v1(637.159,387.858) 637.921,388.62 639.318,388.62 639.699,388.239 644.271,388.239 645.16,389.128 645.16,421.767 646.049,422.656 651.129,422.656 652.145,423.672 652.145,467.868 665.48,481.203 669.036,481.203 670.179,482.346 670.179,486.283 671.322,487.426 R90.2@671.322,487.794
  Bottom Layer w0.2: v1(588.899,360.68) v1(592.328,360.68)
  Bottom Layer w0.254: v1@636.651,353.187 635.381,354.457 635.381,384.937 637.159,386.715 v1(637.159,387.858)
NetR91_2: R91.2 U27.20 | length 252.2
  Top Layer w0.2: v1@592.836,362.204 593.217,361.823 593.217,360.68 594.741,359.156 609.473,359.156 617.028,351.601 628.178,351.601 628.497,351.282 634.873,351.282 635.508,351.917 v1(635.508,352.933)
  Top Layer w0.254: U27.20@562.743,373.593 566.842,373.593 567.436,372.999 567.436,367.411 572.897,361.95 587.883,361.95 v1(588.01,362.077) ; v1(636.143,387.985) 636.143,388.239 637.032,389.128 639.826,389.128 640.207,388.747 643.89,388.747 644.652,389.509 644.652,422.021 645.795,423.164 650.748,423.164 651.383,423.799 651.383,467.995 665.226,481.838 668.655,481.838 669.671,482.854 669.671,491.49 671.182,493.001 R91.2@671.322,493.001
  Bottom Layer w0.254: v1(588.01,362.077) v1(592.709,362.077) ; v1(635.508,352.933) 634.873,353.568 634.873,385.318 636.143,386.588 v1(636.143,387.985)
NetR96_1: R96.1 U25.16 | length 180.9
  Top Layer w0.254: U25.16@581.666,370.993 583.666,370.993 584.327,370.332 587.883,370.332 590.55,367.665 590.55,359.156 595.122,354.584 597.535,354.584 v1(597.662,354.711) ; v1(624.078,362.712) 626.491,362.712 628.142,361.061 632.587,361.061 633.984,362.458 633.984,365.506 635,366.522 635,378.714 637.159,380.873 650.113,380.873 651.51,382.27 655.066,382.27 655.32,382.524 655.32,418.338 658.368,421.386 662.432,421.386 664.21,423.164 664.21,434.086 670.941,440.817 R96.1@670.941,447.281
  Bottom Layer w0.254: v1(597.662,354.711) 601.599,358.648 615.823,358.648 619.887,362.712 v1(624.078,362.712)
NetR97_1: R97.1 U25.17 | length 126.6
  Top Layer w0.254: R97.1@488.95,354.47 493.789,354.47 505.714,366.395 526.034,366.395 531.368,371.729 531.368,377.571 537.591,383.794 574.421,383.794 574.844,384.217 582.507,384.217 v1(582.93,383.794) ; U25.17@581.666,371.643 584.667,371.643 v1(584.962,371.348)
  Bottom Layer w0.254: v1(582.93,383.794) 584.835,381.889 584.835,371.475 v1(584.962,371.348)
NetR98_1: R98.1 U25.18 | length 161.6
  Top Layer w0.254: U25.18@581.666,372.293 596.209,372.293 601.035,372.293 616.331,356.997 v1(616.331,354.584) ; v1(626.364,360.807) 627.253,359.918 633.476,359.918 634.746,361.188 634.746,365.252 636.397,366.903 639.699,366.903 640.207,367.411 640.207,370.332 645.287,375.412 645.287,378.714 646.43,379.857 656.336,379.857 657.733,381.254 657.733,406.4 658.876,407.543 663.575,407.543 664.21,408.178 664.21,421.132 664.972,421.894 668.528,421.894 669.812,423.178 R98.1@669.812,430.357
  Bottom Layer w0.254: v1(616.331,354.584) 622.554,360.807 v1(626.364,360.807)
NetR99_1: R99.1 U25.19 | length 149
  Top Layer w0.254: U25.19@581.666,372.943 597.972,372.943 601.909,372.943 618.363,356.489 v1(618.363,354.584) ; v1(627.189,358.965) 627.38,358.775 633.73,358.775 635.635,360.68 635.635,364.744 636.905,366.014 641.096,366.014 642.747,367.665 654.558,367.665 658.876,371.983 658.876,393.192 659.384,393.7 663.575,393.7 664.21,394.335 664.21,406.4 665.099,407.289 668.147,407.289 669.785,408.927 R99.1@669.785,416.56
  Bottom Layer w0.254: v1(618.363,354.584) 622.745,358.965 v1(627.189,358.965)
NetR100_1: R100.1 U27.17 | length 202
  Top Layer w0.254: U27.17@562.743,371.643 564.347,371.643 565.023,370.967 v1(565.658,370.967) ; v1(577.469,383.54) v1@581.533,383.54 ; v1(584.708,387.096) 584.708,391.287 v1(588.518,395.097) ; v1(589.915,403.606) 589.915,396.621 v1(590.169,396.367) ; v1(597.027,411.988) 601.98,416.941 601.98,431.038 v1(615.188,444.246) ; v1(617.728,449.199) 617.728,451.612 v1(643.763,477.647) ; v1(653.669,487.68) 655.828,489.839 v1(655.828,492.633) ; v1(656.336,496.824) 656.336,499.999 658.622,502.285 667.639,502.285 669.785,504.431 R100.1@669.785,509.651 R100.1@669.658,509.524
  Bottom Layer w0.254: v1(565.658,370.967) 565.912,371.221 569.214,371.221 570.357,370.078 572.135,370.078 572.135,378.079 v1@577.533,383.476 ; v1(581.787,383.54) 581.787,384.302 584.581,387.096 v1(584.708,387.096) ; v1(588.518,395.097) 589.788,396.367 v1(590.169,396.367) ; v1(589.915,403.606) 590.169,403.86 590.169,405.13 v1(597.027,411.988) ; v1(615.188,444.246) 617.728,446.786 v1(617.728,449.199) ; v1(643.763,477.647) 645.287,479.171 651.256,479.171 653.669,481.584 v1(653.669,487.68) ; v1(655.828,492.633) 656.336,493.141 v1(656.336,496.824)
NetR101_1: R101.1 U27.18 | length 211.8
  Top Layer w0.254: U27.18@562.743,372.293 565.221,372.293 v1(565.404,372.11) ; v1(577.596,385.445) 585.216,385.445 585.851,384.81 587.248,384.81 592.582,390.144 v1(608.33,390.144) ; v1(612.14,391.16) 612.14,400.939 616.204,405.003 616.204,409.829 613.791,412.242 v1@613.41,412.242 ; v1(618.998,437.134) v1(622.681,440.817) ; v1(626.745,458.343) v1(645.668,477.266) ; v1(654.05,480.441) 654.558,480.949 654.558,486.918 657.606,489.966 v1(657.606,493.014) ; v1(657.606,495.935) 657.606,499.745 659.384,501.523 668.274,501.523 669.785,503.034 R101.1@671.449,503.034
  Bottom Layer w0.254: v1(565.404,372.11) 569.468,372.11 570.738,370.84 v1(571.119,370.84) 571.119,378.968 v1(577.596,385.445) ; v1(608.33,390.144) 611.124,390.144 v1(612.14,391.16) ; v1(613.283,412.369) 613.283,431.419 v1@618.871,437.007 ; v1(622.681,440.817) 622.681,454.914 626.11,458.343 v1@626.491,458.343 ; v1(645.668,477.266) 646.811,478.409 652.018,478.409 v1(654.05,480.441) ; v1(657.606,493.014) v1(657.606,495.935)
NetR102_1: R102.1 U27.19 | length 252.8
  Top Layer w0.2: v1@593.979,361.442 593.979,360.807 595.122,359.664 609.727,359.664 617.347,352.044 632.841,352.044 v1(633.857,353.06)
  Top Layer w0.254: U27.19@562.743,372.943 566.095,372.943 566.42,372.618 566.42,367.03 572.262,361.188 v1(585.724,361.188) ; v1(635.254,388.493) 636.397,389.636 640.588,389.636 641.096,390.144 641.096,421.132 643.636,423.672 650.113,423.672 650.494,424.053 650.494,467.995 664.972,482.473 668.274,482.473 669.036,483.235 669.036,495.3 671.449,497.713 R102.1@671.449,497.954
  Bottom Layer w0.2: v1(585.724,361.188) 588.264,361.188 588.503,361.427 594.091,361.427 v1(594.106,361.442)
  Bottom Layer w0.254: v1(633.857,353.06) 634.365,353.568 634.365,385.572 635.254,386.461 v1(635.254,388.493)
NetR109_2: R109.2 R110.2 U32.4 | length 7.7
  Top Layer w0.254: R109.2@549.161,569.722 549.973,569.722 ; v1(549.959,565.834) 549.959,569.707 549.973,569.722 ; R110.2@550.786,569.722 549.973,569.722
  Bottom Layer w0.254: U32.4@549.959,563.653 v1(549.959,565.834)
NetR112_2: R112.2 U36.3 | length 3
  Top Layer w0.5: U36.3@487.557,422.52 487.566,422.529 R112.2@490.563,422.529
NetR114_2: R114.2 R115.2 U37.4 | length 7.1
  Top Layer w0.254: R114.2@613.931,570.357 614.807,570.357 ; v1(614.729,567.436) 614.729,570.279 614.807,570.357 ; R115.2@615.683,570.357 614.807,570.357
  Bottom Layer w0.254: U37.4@614.729,565.05 v1(614.729,567.436)
NetR120_2: R120.2 U26.7 | length 2.8
  Top Layer w0.5: U26.7@427.9,386.969 430.136,386.969 R120.2@430.517,386.588
NetU26_6: U26.6 U29.1 | length 11.8
  Top Layer w0.5: U26.6@427.9,385.699 428.879,385.699 433.383,381.195 U29.1@437.785,381.195
NetU30_9: U30.9 U34.2 | length 10.5
  Top Layer w0.2: U34.2@506.978,447.141 508.482,447.141 509.277,447.936 509.277,452.127 510.297,453.147 U30.9@512.578,453.147
NetU34_9: U34.9 U39.2 | length 9.1
  Top Layer w0.2: U39.2@507.232,438.378 509.244,438.378 509.905,439.039 509.905,442.087 511.059,443.241 U34.9@512.578,443.241
NO1: C17.1 K11.8 K11.9 P7.1 | length 29.5
  Top Layer w1: K11.9@647.841,356.02 K11.8@647.841,363.64
  Bottom Layer w1: K11.8@647.841,363.64 647.969,363.768 C17.1@661.416,363.768 ; C17.1@661.416,361.355 C17.1@661.416,363.768 ; C17.1@661.416,363.855 C17.1@661.416,363.768 ; P7.1@667.151,363.768 C17.1@661.416,363.768
NO2: C23.1 K15.8 K15.9 P8.1 | length 29.8
  Top Layer w1: K15.9@647.841,369.939 K15.8@647.841,377.559
  Bottom Layer w1: K15.8@647.841,377.559 657.086,377.559 657.479,377.952 C23.1@661.416,377.952 ; C23.1@661.416,375.452 C23.1@661.416,377.952 ; P8.1@667.151,377.56 664.348,377.56 663.956,377.952 C23.1@661.416,377.952
NO3: C25.1 K19.8 K19.9 P9.1 | length 29.7
  Top Layer w1: K19.9@647.841,383.858 K19.8@647.841,391.478
  Bottom Layer w1: K19.8@647.841,391.478 648.158,391.795 C25.1@661.416,391.795 ; C25.1@661.416,389.295 C25.1@661.416,391.795 ; P9.1@667.151,391.352 664.148,391.352 663.706,391.795 C25.1@661.416,391.795
NO4: C29.1 K12.8 K12.9 P11.1 | length 29.7
  Top Layer w1: K12.9@647.841,397.778 K12.8@647.841,405.398
  Bottom Layer w1: K12.8@647.841,405.398 658.636,405.398 658.876,405.638 C29.1@661.416,405.638 ; C29.1@661.416,403.138 C29.1@661.416,405.638 ; P11.1@667.151,405.145 663.687,405.145 663.194,405.638 C29.1@661.416,405.638
NO5: C31.1 K16.8 K16.9 P12.1 | length 29.6
  Top Layer w1: K16.9@647.841,411.697 K16.8@647.841,419.317
  Bottom Layer w1: K16.8@647.841,419.317 647.878,419.354 C31.1@661.416,419.354 ; C31.1@661.416,416.854 C31.1@661.416,419.354 ; P12.1@667.151,418.937 663.992,418.937 663.575,419.354 C31.1@661.416,419.354
NO6: C37.1 K20.8 K20.9 P14.1 | length 29.7
  Top Layer w1: K20.9@647.841,425.616 K20.8@647.841,433.236
  Bottom Layer w1: K20.8@647.841,433.236 647.929,433.324 C37.1@661.416,433.324 ; C37.1@661.416,430.824 C37.1@661.416,433.324 ; P14.1@667.151,432.729 664.932,432.729 664.337,433.324 C37.1@661.416,433.324
OB1: K9.6 K9.11 P3.7 R78.1 | length 56.9
  Top Layer w1: P3.7@387.35,494.491 388.343,494.491 R78.1@392.581,498.729
  Bottom Layer w1: P3.7@387.35,494.491 405.337,494.491 409.321,498.475 424.454,498.475 K9.6@426.955,500.976 K9.11@426.955,508.596
OB2: K9.4 K9.13 P4.4 R61.2 | length 252.3
  Top Layer w1: v2(599.44,493.014) 642.239,493.014 643.636,494.411 P4.4@667.131,494.411
  Bottom Layer w1: K9.13@432.035,508.596 K9.4@432.035,500.976 434.252,500.976 437.387,497.841 R61.2@437.387,496.57 488.061,496.57 489.966,494.665 507.746,494.665 515.112,487.299 593.725,487.299 v2(599.44,493.014) v2@599.567,493.141
OUT1_1: K2.16 U1.16 | length 12.2
  Top Layer w0.2: U1.16@448.874,439.247 448.874,442.074 451.485,444.685 K2.16@455.51,448.71
OUT1_2: K1.16 U1.17 U27.2 | length 190.7
  Top Layer w0.2: K1.16@439.655,453.097 443.611,449.141 443.611,446.151 448.224,441.538 U1.17@448.224,439.247 ; v1(461.391,439.674) 463.677,439.674 v1(465.455,437.896) ; v1@529.844,396.113 532.257,393.7 v1(551.688,393.7) ; v1(553.847,382.143) 554.482,381.508 554.482,376.682 555.621,375.543 U27.2@557.143,375.543
  Bottom Layer w0.2: v1(447.167,442.468) 447.167,441.452 448.945,439.674 v1(461.391,439.674) ; v1(465.455,437.896) 458.851,431.292 458.851,420.497 470.408,408.94 508.508,408.94 525.399,392.049 529.971,392.049 531.368,393.446 531.368,394.462 v1(529.844,395.986) ; v1(551.688,393.7) 552.069,393.7 553.847,391.922 v1(553.847,382.143)
OUT1_3: K6.16 U5.20 U25.9 | length 143.1
  Top Layer w0.2: v1(601.726,405.892) 604.728,408.894 U5.20@605.405,408.894 605.405,427.224 623.482,445.301 K6.16@630.066,445.301
  Top Layer w0.254: U25.9@576.066,370.993 573.125,370.993 570.23,373.888 570.23,382.651 584.454,382.651 587.502,379.603 606.171,379.603 610.87,384.302 610.87,392.176 v1(609.6,393.446)
  Bottom Layer w0.2: v1(601.726,405.892) 601.726,404.114 601.853,403.987 601.853,401.447 602.488,400.812 607.06,400.812 609.473,398.399 609.473,393.573 v1(609.6,393.446)
OUT2_1: K5.16 U1.11 | length 56.6
  Top Layer w0.2: U1.11@452.124,439.247 454.614,439.247 462.788,447.421 462.788,486.263 K5.16@465.436,488.911
OUT2_2: K4.16 U1.14 U27.3 | length 233.1
  Top Layer w0.2: K4.16@439.655,488.784 442.029,486.41 457.327,486.41 460.629,483.108 460.629,449.453 457.327,446.151 454.406,446.151 450.174,441.919 U1.14@450.174,439.247 ; v1(463.042,441.452) 464.058,441.452 v1(466.471,439.039) ; v1(529.844,393.446) 531.114,392.176 v1(551.561,392.176) ; v1(552.704,382.016) 552.704,381.889 553.593,381 553.593,376.682 555.382,374.893 U27.3@557.143,374.893
  Bottom Layer w0.2: v1(457.454,446.151) 458.343,446.151 v1(463.042,441.452) ; v1(466.471,439.039) 466.979,438.531 466.979,437.007 459.359,429.387 459.359,420.624 470.281,409.702 478.536,409.702 480.314,411.48 511.81,411.48 v1(529.844,393.446) ; v1(551.561,392.176) 552.704,391.033 v1(552.704,382.016)
OUT2_3: K3.16 U1.20 | length 70.9
  Top Layer w0.2: K3.16@406.82,479.152 410.591,475.381 410.591,454.152 417.576,447.167 433.324,447.167 434.34,446.151 434.34,441.96 437.053,439.247 U1.20@446.274,439.247
OUT3_1: K8.16 U3.16 | length 83.7
  Top Layer w0.254: U3.16@569.006,476.433 563.682,476.433 561.594,474.345 561.594,464.312 572.008,453.898 585.978,453.898 597.408,465.328 597.408,473.476 K8.16@606.19,482.258
OUT3_2: K7.16 U3.14 U27.4 | length 225.4
  Top Layer w0.254: U27.4@557.143,374.243 558.52,374.243 558.927,374.65 558.927,379.222 561.594,381.889 v1(563.626,381.889) ; v1(567.055,386.588) 567.241,386.588 572.217,391.564 572.412,391.564 576.707,395.859 v1(576.58,395.859) ; U3.14@569.006,477.733 562.442,477.733 558.8,474.091 558.8,465.836 571.373,453.263 586.613,453.263 v1(589.788,456.438) 599.567,466.217 601.726,466.217 616.331,480.822 616.331,482.6 618.236,484.505 629.644,484.505 K7.16@632.03,482.119 ; v1(580.136,403.606) 580.136,406.146 581.406,407.416 583.819,407.416 584.835,406.4 v1(585.597,406.4)
  Bottom Layer w0.254: v1(563.626,381.889) 563.626,383.032 v1@567.309,386.715 ; v1(576.58,395.859) 576.707,395.859 576.453,395.605 576.453,393.954 577.342,393.065 579.628,393.065 583.184,396.621 583.184,398.018 580.136,401.066 v1(580.136,403.606) ; v1(585.597,406.4) 589.788,410.591 v1(589.788,456.438)
OUT3_3: K11.16 U5.10 U25.2 | length 96.4
  Top Layer w0.2: U25.2@576.066,375.543 578.108,375.543 578.358,375.793 578.358,378.206 579.247,379.095 583.057,379.095 583.819,378.333 583.819,377.444 585.089,376.174 611.255,376.174 ; U5.10@611.255,403.144 611.255,376.174 ; K11.16@630.066,356.02 628.738,356.02 628.015,356.743 626.491,356.743 625.602,357.632 625.602,359.029 611.255,373.376 611.255,376.174
OUT4_1: K10.16 U1.13 | length 77.9
  Top Layer w0.2: U1.13@450.824,439.247 450.824,441.172 454.152,444.5 458.216,444.5 461.899,448.183 461.899,486.918 462.661,487.68 v1(462.661,499.237)
  Bottom Layer w0.2: v1(462.661,499.237) 462.661,505.948 K10.16@465.436,508.723